# Altium PCB 驱动板 - 副本.PcbDoc (continued)
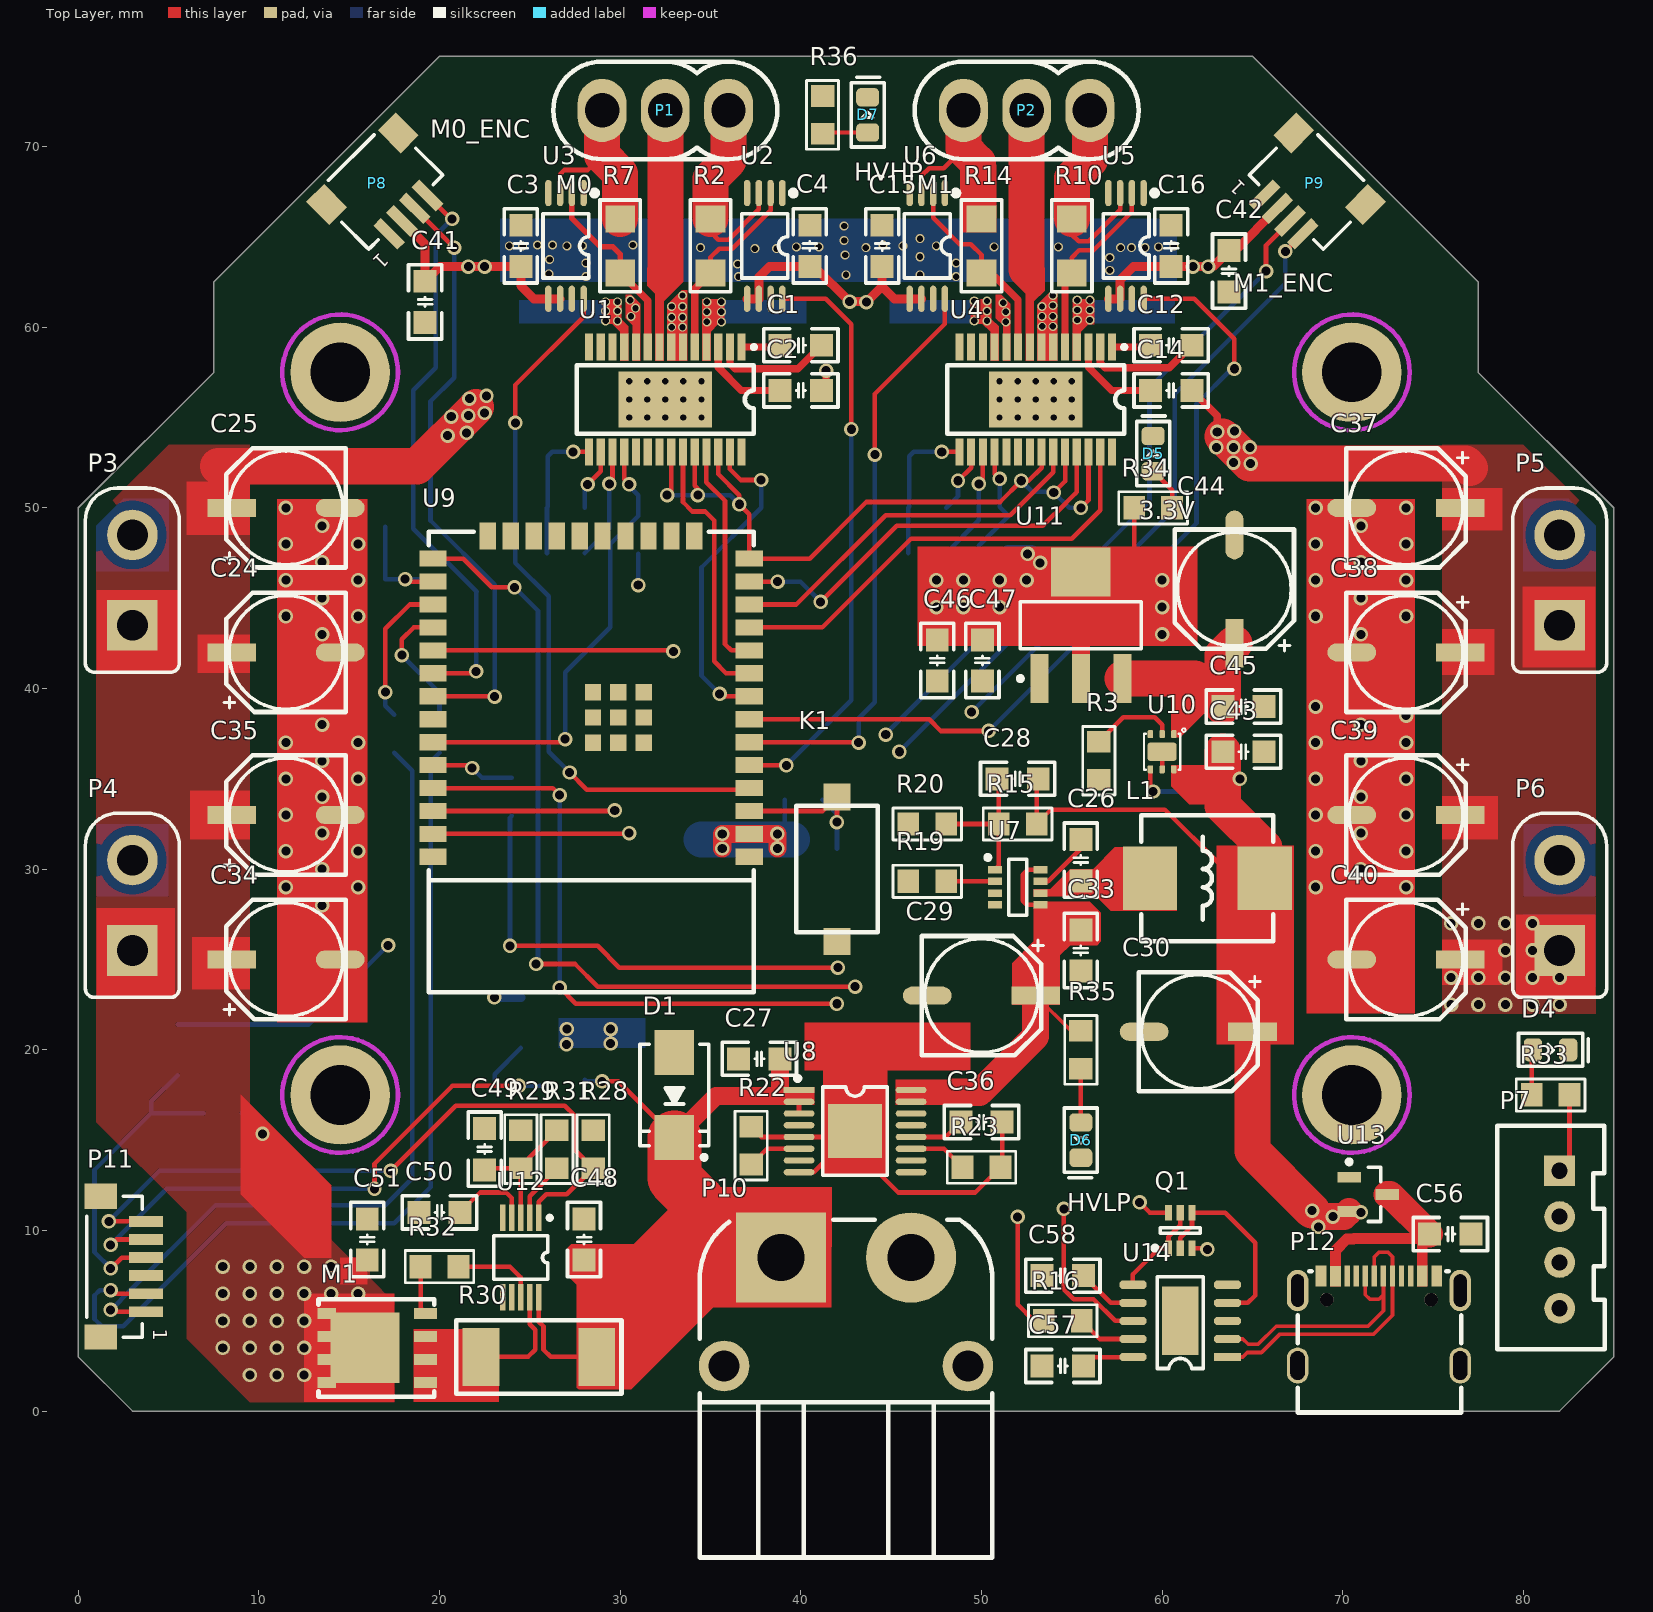
[diagram p0: Top Layer view]
## Components (designator, comment, footprint, x,y, rotation, side; value= is the part's Value field where it differs from the comment) (continued)
R13 "10K" R0805_M 47,50 r180 bottom value=1K
R14 "10mR" R1206_M 50,64.5 r270 top
R15 "150K/<1%" R0805_M 52,32.5 r180 top value=1K
R16 "470R" R0805_M 54.5,5 r180 top value=1K
R17 "82K/0.5%" R0805_M 8,16.5 r180 bottom value=1K
R18 "0R" R0805_M 20,37.5 r270 bottom value=1K
R19 "100K" R0805_M 47,29.325 r180 top value=1K
R20 "20K/<1%" R0805_M 47,32.5 r180 top value=1K
R21 "10K/0.5%" R0805_M 3,16.5 r180 bottom value=1K
R22 "0R" R0805_M 37.25,14.7 r90 top value=1K
R23 "22K/0.5%" R0805_M 50,13.5 r0 top value=1K
R24 "0R" R0805_M 30.5,22 r90 bottom value=1K
R25 "82K/0.5%" R0805_M 27,18 r180 bottom value=1K
R26 "0R" R0805_M 28.5,22 r90 bottom value=1K
R27 "10K/0.5%" R0805_M 22,18 r180 bottom value=1K
R28 "10K" R0805_M 28.5,14.5 r90 top value=1K
R29 "20K" R0805_M 24.5,14.5 r90 top value=1K
R30 "5mR" R2512_M 25.5,3 r0 top
R31 "20K" R0805_M 26.5,14.5 r90 top value=1K
R32 "10R" R0805_M 20,8 r0 top value=1K
R33 "1K" R0805_M 81.5,17.5 r0 top
R34 "1K" R0805_M 59.5,50 r180 top
R35 "10K" R0805_M 55.5,20 r90 top value=1K
R36 "10K" R0805_M 41.2,71.75 r90 top value=1K
R37 "10K" R0805_M 40.15,33.85 r0 bottom value=1K
R38 "470R" R0805_M 24,34 r90 bottom value=1K
U1 "DRV8313PWPR" TSSOP28-PowerPad 32.5,56 r270 top
U2 "INA240A2PWR" TSSOP8 38,64.5 r270 top
U3 "INA240A2PWR" TSSOP8 27,64.5 r270 top
U4 "DRV8313PWPR" TSSOP28-PowerPad 53,56 r270 top
U5 "INA240A2PWR" TSSOP8 58,64.5 r270 top
U6 "INA240A2PWR" TSSOP8 47,64.5 r270 top
U7 "SY8303" SOT23-8L 52,29 r0 top
U8 "TPS26600" ETSSOP16_M 43,15.5 r0 top
U9 "ESP32-WROOM-32D/E" ESP32-WROOM-32D/E 31.3,37 r180 top locked
U10 "TPS25200" WSON-6 60,36.5 r180 top
U11 "AMS1117-3.3" SOT223_M 55.5,43.5 r0 top
U12 "TPS2491" VSSOP10 24.5,8.5 r270 top
U13 "CH213K" SOT-23-3 71.4,12 r270 top
U14 "CH340K" ESSOP10 63.616,2.993 r90 top

## Footprints (in the part's own frame and the unit in brackets; to place one, negate y for a bottom-side part, rotate by r counter-clockwise, add the part's x,y. Pads: shape width x height; smd on the part's side, far side on the other; paste and mask are expansions set on the pad)
C0805_M [mil] "贴片MLCC电容"
  rect 50x50 smd: 1(-45,0) 2(45,0)
  silkscreen extent -81,-36 81,36, body extent -39,-25 39,25, height 49
"CS 6*6 - R" [mm] "直径6mm，高6mm             联系卖家 免费人工查找封装"
  rect 2.7x1 smd: 1(3,0)
  oval 2.7x1 smd: 2(-3,0)
  silkscreen extent -3.3,-3.3 3.43,3.3, body extent -3.5,-3.15 3.5,3.15, height 6.05
DFN8L-5X6 [mm]
  rect 0.61x1.27 smd: 1(-1.905,-2.732) 2(-0.635,-2.732) 3(0.635,-2.732) 4(1.905,-2.732)
  rect 0.61x1.02 smd: 5(1.905,2.733) 6(0.635,2.733) 7(-0.635,2.733) 8(-1.905,2.733)
  rect 3.91x3.81 smd: 8(0,0.628)
  silkscreen extent -2.7,-3.2 2.7,3.2
ESP32-WROOM-32D/E [mm]
  rect 1.5x0.9 smd: 1(-5.845,6.32) 2(-5.845,5.05) 3(-5.845,3.78) 4(-5.845,2.51) 5(-5.845,1.24) 6(-5.845,-0.03) 7(-5.845,-1.3) 8(-5.845,-2.57) 9(-5.845,-3.84) 10(-5.845,-5.11) 11(-5.845,-6.38) 12(-5.845,-7.65) 13(-5.845,-8.92) 14(-5.845,-10.19) 25(11.655,-10.19) 26(11.655,-8.92) 27(11.655,-7.65) 28(11.655,-6.38) 29(11.655,-5.11) 30(11.655,-3.84) 31(11.655,-2.57) 32(11.655,-1.3) 33(11.655,-0.03) 34(11.655,1.24) 35(11.655,2.51) 36(11.655,3.78) 37(11.655,5.05) 38(11.655,6.32)
  rect 0.9x1.5 smd: 15(-2.805,-11.44) 16(-1.535,-11.44) 17(-0.265,-11.44) 18(1.005,-11.44) 19(2.275,-11.44) 20(3.545,-11.44) 21(4.815,-11.44) 22(6.085,-11.44) 23(7.355,-11.44) 24(8.625,-11.44)
  rect 0.9x0.9 smd: 39(0,0) 39(0,-1.4) 39(0,-2.8) 39(1.4,0) 39(1.4,-1.4) 39(1.4,-2.8) 39(2.8,-1.4) 39(2.8,0) 39(2.8,-2.8)
  silkscreen extent -6.1,-11.68 11.9,13.82, body extent -6.1,-11.68 11.9,13.82, height 3.2
ESSOP10 [mm]
  rect 3.8x2 smd: 0(2.007,2.616)
  rect 0.45x1.5 smd: 1(0,0)
  oct 0.45x1.5 smd: 2(1,0) 3(2,0) 4(3,0) 5(4,0) 6(4,5.232) 7(3,5.232) 8(2,5.232) 9(1,5.232) 10(0,5.232)
  silkscreen extent -0.64,1.35 4.44,3.89
ETSSOP16_M [mm] "5*6.4*1.2mm（长宽高）"
  rect 1.7x0.35 smd: 1(-3.1,2.275)
  oval 1.7x0.35 smd: 2(-3.1,1.625) 3(-3.1,0.975) 4(-3.1,0.325) 5(-3.1,-0.325) 6(-3.1,-0.975) 7(-3.1,-1.625) 8(-3.1,-2.275) 9(3.1,-2.275) 10(3.1,-1.625) 11(3.1,-0.975) 12(3.1,-0.325) 13(3.1,0.325) 14(3.1,0.975) 15(3.1,1.625) 16(3.1,2.275)
  rect 3x3 smd paste-3: 17(0,0)
  rect 0.75x0.75 on Top Paste: 19(-1,1) 20(0,1) 21(1,1) 22(1,0) 23(0,0) 24(-1,0) 25(-1,-1) 26(0,-1) 27(1,-1)
  silkscreen extent -3.3,-2.45 1.78,3.05, body extent -3.2,-2.5 3.2,2.5, height 1.03
L-SMD-0630 [mm] "一体化成型电感"
  rect 3x3.5 smd: 1(-3.175,0) 2(3.175,0)
  silkscreen extent -3.66,-3.48 3.66,3.48, body extent -3.47,-3.3 3.48,3.3, height 3.05
LED0805_G [mil] "绿色0805LED            联系卖家 免费查找封装"
  rrect50% 40x50 smd: 1(-38.4,0) 2(38.4,0)
  silkscreen extent -70,-36 82,36, body extent -39,-25 39,25, height 32
MR30PB-F [mm]
  oval 2.7x3.5 hole 1.9: 1(-3.5,0) 2(0,0) 3(3.5,0)
  silkscreen extent -6.2,-2.7 6.2,2.7
R0805_M [mm] "1/8W贴片电阻"
  rect 1.2x1.3 smd: 1(-1.05,0) 2(1.05,0)
  silkscreen extent -1.9,-0.89 1.9,0.89, body extent -1,-0.63 1,0.63, height 0.6
R1206_M [mm] "1/4W贴片电阻"
  rect 1.5x1.65 smd: 1(-1.5,0) 2(1.5,0)
  silkscreen extent -2.54,-1.12 2.54,1.12, body extent -1.6,-0.8 1.6,0.8, height 0.56
R2512_M [mm] "1W贴片电阻                       联系卖家 免费人工查找封装"
  rect 2.032x3.2 smd: 1(-3.2,0) 2(3.2,0)
  silkscreen extent -4.57,-2.03 4.57,2.03, body extent -3.2,-1.6 3.2,1.6, height 0.56
SH1.0-LT-6P [mm] "SH1.0连接器-立贴-6P           来自淘宝卖家ID：黄晶宝石"
  rect 1.4x1.8 smd: 0(-3.9,-1.25) 0(3.9,-1.25)
  rect 0.6x1.9 smd: 1(2.5,1.25) 2(1.5,1.25) 3(0.5,1.25) 4(-0.5,1.25) 5(-1.5,1.25) 6(-2.5,1.25)
  silkscreen extent -3.9,-2.03 3.9,1.05, body extent -4,-1.9 4,1.7, height 4.25
SH1.0-WT-4P [mm] "SH1.0连接器-卧贴-4P          来自淘宝卖家ID：黄晶宝石"
  rect 1.4x1.8 smd: 0(-2.8,-1.8) 0(2.8,-1.8)
  rect 0.6x1.9 smd: 1(1.5,1.8) 2(0.5,1.8) 3(-0.5,1.8) 4(-1.5,1.8)
  silkscreen extent -2.9,-2.67 2.9,1.6, body extent -3,-2.6 3,2.35, height 2.9
SMB [mm] "4.7*3.9*2.2mm(长宽高，不包括引脚）联系卖家 免费查找封装"
  rect 2.5x2.2 smd: 1(2.35,0) 2(-2.35,0)
  silkscreen extent -3.57,-1.9 2.8,1.9, body extent -2.65,-1.8 2.65,1.8, height 2.35
SOD-323 [mm] "1.8x1.3X0.9mm（长宽高，不包括引脚）联系卖家 免费人工查找封装"
  rect 1x0.8 smd: 1(-1.4,0)
  oct 1x0.8 smd: 2(1.4,0)
  silkscreen extent -2.11,-0.76 2.11,0.76, body extent -1.32,-0.65 1.32,0.65, height 0.95
SOT23-8L [mil] "SOT23, 8-Leads, Body 2.9x1.75mm, Pitch 0.65mm"
  rect 30.5x16 smd paste+0: 1(-49.75,38.39) 2(-49.75,12.8) 3(-49.75,-12.8) 4(-49.75,-38.39) 5(49.75,-38.39) 6(49.75,-12.8) 7(49.75,12.8) 8(49.75,38.39)
  silkscreen extent -70,-61 20,70, body extent -55,-59 55,59, height 45
SOT223_M [mm] "SOT223, 4-Leads, Body 6.5x3.5mm, Pitch 2.3mm, Lead Span 7mm, IPC Low Density联系卖家 获取最新版本"
  rect 1x2.7 smd: 1(-2.3,-2.95) 2(0,-2.95) 3(2.3,-2.95)
  rect 3.3x2.7 smd: 4(0,2.95)
  silkscreen extent -3.47,-3.07 3.35,1.3, body extent -3.25,-3.51 3.25,3.51, height 1.65
SOT363_M [mm] "SOT23, 6-Leads, Body 2.2x1.35mm, Pitch 0.65mm, IPC Low Density               联系卖家 免费查找封装"
  rect 0.85x0.4 smd: 1(-0.975,0.65) 2(-0.975,0) 3(-0.975,-0.65) 4(0.975,-0.65) 5(0.975,0) 6(0.975,0.65)
  silkscreen extent -1.1,-1.1 0.15,1.52, body extent -1.05,-1.07 1.05,1.08, height 1.1
SOT-23-3 [mm] "SOT23, 3-Leads, Body 2.9x1.3mm, Pitch 0.95mm, Lead Span 2.4mm, IPC Medium Density"
  rect 0.6x1.3 smd: 1(-0.95,-1.05) 2(0.95,-1.05) 3(0,1.05)
  silkscreen extent -1.92,-1.17 1.5,0.7, body extent -1.5,-1.2 1.5,1.2, height 1.05
SW_SMT [mm]
  rect 1.5x1.5 smd: 1(0,4) 2(0,-4)
  Top Layer region: 0.25,-7
  silkscreen extent -2.25,-3.5 2.25,3.48, body extent -1.82,-4.03 1.83,3.97, height 2.5
TSSOP8 [mm] "TSSOP-8_L4.4-W3.0-P0.65 封装库来自淘宝卖家 ID：黄晶宝石"
  oval 1.454x0.353 smd: 1(-2.927,0.975) 2(-2.927,0.325) 3(-2.927,-0.325) 4(-2.927,-0.975) 5(2.927,-0.975) 6(2.927,-0.325) 7(2.927,0.325) 8(2.927,0.975)
  silkscreen extent -3.08,-1.27 1.78,1.73, body extent -3.19,-1.58 3.09,1.42, height 1.12
TSSOP28-PowerPad [mm]
  rect 1.5x0.45 smd: 1(-2.9,4.225) 2(-2.9,3.575) 3(-2.9,2.925) 4(-2.9,2.275) 5(-2.9,1.625) 6(-2.9,0.975) 7(-2.9,0.325) 8(-2.9,-0.325) 9(-2.9,-0.975) 10(-2.9,-1.625) 11(-2.9,-2.275) 12(-2.9,-2.925) 13(-2.9,-3.575) 14(-2.9,-4.225) 15(2.9,-4.225) 16(2.9,-3.575) 17(2.9,-2.925) 18(2.9,-2.275) 19(2.9,-1.625) 20(2.9,-0.975) 21(2.9,-0.325) 22(2.9,0.325) 23(2.9,0.975) 24(2.9,1.625) 25(2.9,2.275) 26(2.9,2.925) 27(2.9,3.575) 28(2.9,4.225)
  rect 3.1x5.18 smd: 29(0,0)
  silkscreen extent -3,-4.9 1.9,5, body extent -3.2,-4.85 3.2,4.85, height 1.13
USB-C-SMD_16P [mm] "封装库来自淘宝ID:黄晶宝石"
  oval 1.2x2.3 hole 0.7 slot 1.8 at 90 deg: 0(-4.5,-1.675) 0(4.5,-1.675)
  oval 1.2x2 hole 0.8 slot 1.6 at 90 deg: 0(-4.5,2.475) 0(4.5,2.475)
  rect 0.3x1.15 smd: A1(3.35,-2.473) A4(2.55,-2.471) A5(1.25,-2.475) A6(0.25,-2.475) A7(-0.25,-2.473) A9(-2.55,-2.475) A12(-3.35,-2.475) B1(-3.05,-2.475) B4(-2.25,-2.475) B5(-1.75,-2.475) B6(-0.75,-2.475) B7(0.75,-2.473) B9(2.25,-2.471) B12(3.05,-2.473)
  rect 0.3x1.148 smd: A8(1.75,-2.475) B8(-1.25,-2.475)
  round 0.75 hole 0.75 unplated: ""(-2.89,-1.175) ""(2.89,-1.175)
  silkscreen extent -4.56,-2.75 4.5,5.08, body extent -4.45,-2.87 4.49,5.03, height 3.25
VSSOP10 [mm]
  rect 1.45x0.3 smd mask+0.05: 1(-2.2,1) 2(-2.2,0.5) 3(-2.2,0) 4(-2.2,-0.5) 5(-2.2,-1) 6(2.2,-1) 7(2.2,-0.5) 8(2.2,0) 9(2.2,0.5) 10(2.2,1)
  silkscreen extent -2.3,-1.5 1.2,1.7
WSON-6 [mm]
  rrect50% 0.3x0.45 smd: 1(-0.65,-0.975) 2(0,-0.975) 3(0.65,-0.975) 4(0.65,0.975) 5(0,0.975) 6(-0.65,0.975)
  rrect25% 1.6x1 smd: 7(0,0)
  silkscreen extent -1.3,-1.3 1,1, body extent -1.05,-1.02 1.02,1.02, height 1
XH2.54-LI-4P [mm] "接插件，4P"
  rect 1.7x1.7 hole 0.9: 1(-3.81,0)
  round 1.7 hole 0.9: 2(-1.27,0) 3(1.27,0) 4(3.81,0)
  silkscreen extent -6.3,-3.45 6.07,2.49, body extent -6.31,-3.3 6.31,2.4, height 7.05
XT30PB-F [mm] "TH, 2-Leads, Body 10.2x5.2mm, Pitch 5.00mm"
  rect 2.8x2.8 hole 1.7: 1(-2.5,0)
  round 2.8 hole 1.7: 2(2.5,0)
  silkscreen extent -5.1,-2.6 5.1,2.6, body extent -5.1,-2.6 5.1,2.6, height 9.4
XT60PW-M [mm] "长：18.8mm， 宽：16mm，高：8.6mm     淘宝ID:黄晶宝石"
  round 2.8 hole 1.7: 0(-6.75,-3) 0(6.75,-3)
  rect 5x5 hole 2.6: 1(-3.6,3)
  round 5 hole 2.6: 2(3.6,3)
  silkscreen extent -8.1,-13.6 8.1,5.1, body extent -8,-13.5 8,4.9, height 8.5

## Part data
C1 C2 C3 C4 C5 C6 C7 C8 C9 C10 C11 C12 C13 C14 C15 C16 C17 C18 C19 C20 C21 C22 C23 C45 C46 C47 C49 C50 C51 C52 C53 C54: library part Cap, "Capacitor", LatestRevisionDate=17-Jul-2002, LatestRevisionNote="Re-released for DXP Platform.", PackageDescription="Radial Cap, Thru-Hole; 2 Leads; 0.3 in Pin Spacing", PackageReference=RAD-0.3, Published=8-Jun-2000, Publisher="Altium Limited"
C24 C25 C34 C35 C37 C38 C39 C40: library part "Cap Pol2", "Low ESR required"
C26 C27 C28 C31 C32 C33 C36 C41 C42 C43 C48 C55 C56 C57 C58: library part CAP, "Capacitor"
C29 C30: library part "Cap Pol2", "固态电容"
C44: library part "Cap Pol2", "Polarized Capacitor (Axial)"
D1: library part TVS
D2 D3: library part Diode, "Default Diode"
D4 D5 D6 D7: library part LED1, "Typical RED GaAs LED"
FB1: library part L
K1: library part SW-PB, "Switch", LatestRevisionDate=17-Jul-2002, LatestRevisionNote="Re-released for DXP Platform.", PackageDescription="Switch; 2 Leads", PackageReference=SPST-2, Published=24-Mar-1999, Publisher="Altium Limited"
L1: library part "Inductor Iron", "Magnetic-Core Inductor", LatestRevisionDate=17-Jul-2002, LatestRevisionNote="Re-released for DXP Platform.", PackageDescription="Axial Device, Thru-Hole; 2 Leads; 0.9 in Pin Spacing", PackageReference=AXIAL-0.9, Published=24-Mar-1999, Publisher="Altium Limited"
M1: library part NMOS_IC
P1 P2 P10: library part "Header 3", "Header, 3-Pin"
  P1 P2: LatestRevisionDate=17-Jul-2002, LatestRevisionNote="Re-released for DXP Platform.", Publisher="Altium Limited"
P3 P4 P5 P6: library part "Header 2", "Header, 2-Pin", LatestRevisionDate=17-Jul-2002, LatestRevisionNote="Re-released for DXP Platform.", Publisher="Altium Limited"
P7: library part "Header 4", "Header, 4-Pin", LatestRevisionDate=17-Jul-2002, LatestRevisionNote="Re-released for DXP Platform.", Publisher="Altium Limited"
P8 P9: library part "Header 5", LatestRevisionDate=17-Jul-2002, LatestRevisionNote="Re-released for DXP Platform.", Publisher="Altium Limited"
P11: library part "Header 7", "Header, 7-Pin"
Q1: library part D2NPN, "数字晶体管（带电阻）"
R1 R2 R3 R4 R5 R6 R7 R8 R9 R10 R11 R12 R13 R14 R15 R16 R17 R18 R19 R20 R21 R22 R23 R24 R25 R26 R27 R28 R29 R30 R31 R32 R33 R34 R35 R36 R37 R38: library part Res2, "Resistor"
  R1 R2 R3 R4 R5 R6 R7 R8 R9 R10 R11 R12 R13 R14 R15 R16 R17 R18 R19 R20 R21 R22 R23 R24 R25 R26 R27 R28 R29 R31 R32 R33 R34 R35 R36 R37 R38: LatestRevisionDate=17-Jul-2002, LatestRevisionNote="Re-released for DXP Platform.", PackageDescription="Axial Device, Thru-Hole; 2 Leads; 0.4 in Pin Spacing", PackageReference=AXIAL-0.4, Published=8-Jun-2000, Publisher="Altium Limited"
U2 U3 U5 U6: library part Component_3
U11: library part AMS1117
U13: "Ideal Diode 5V*1A"
U14: "USB to TTL Serial / UART for dual power"
U8: ClassName=HVHV

## Free pads (board coordinates)
  round 5.5 hole 3.3: ""(14.5,17.5) ""(14.5,57.5) ""(70.5,17.5) ""(70.5,57.5)

## Via types
v1: diameter 0.8, hole 0.5, Top Layer to Bottom Layer, tented both sides, 209 vias
v2: diameter 0.5, hole 0.35, Top Layer to Bottom Layer, tented both sides, 114 vias

## Nets (pads, with @x,y where several pads share a name; then routed paths per layer and width w, separated by ;. In a path a pad name is that pad's centre, name@x,y a point inside that pad or via, vN(x,y) a via of type N, cw(c..) or ccw(c..) an arc to the next point about the centre after c; other vN are vias at no path point)
DTR: Q1.2 Q1.4 U14.4 | length 11
  Top Layer w0.254: Q1.2 61,9.6 61.65,10.25 Q1.4 63.494,10.975 65.15,9.319 65.15,6.4 64.743,5.993 U14.4
EN: C55.2 K1.2 Q1.6 R37.2 U9.3 | length 39.4
  Top Layer w0.254: U9.3 41.22,33.22 K1.2 v1(42,32.6) ; v1(58.75,11.55) 59.325,10.975 Q1.6
  Mid 2 w0.254: v1(42,32.6) 58.75,15.85 v1(58.75,11.55)
  Bottom Layer w0.254: R37.2 42,33.05 v1(42,32.6) C55.2
FOC_RX: FB1.1 U9.27 | length 8.2
  Top Layer w0.254: v1(17,39.8) 17,43.3 18.35,44.65 U9.27
  Bottom Layer w0.254: v1(17,39.8) 17,39.05 FB1.1
FOC_TX: R18.1 U9.28 | length 7
  Top Layer w0.254: v1(17.919,41.846) 17.919,42.719 18.58,43.38 U9.28
  Bottom Layer w0.254: v1(17.919,41.846) 20,39.765 R18.1
GND: C3.2 C4.2 C5.1 C13.1 C15.2 C16.2 C17.1 C27.2 C29.2 C30.2 C31.1 C32.1 C33.1 C41.2 C42.2 C43.2 C44.2 C45.1 C46.1 C47.1 C48.1 C49.1 C50.1 C51.1 C52.2 C53.2 C54.2 C55.1 C56.1 C57.1 C58.1 D1.1 D4.2 D5.2 D6.2 D7.2 K1.1 P7.3 P7.4 P8.0 P8.1 P9.0 P9.1 P11.0 P11.3 P12.0 P12.A1 P12.A12 P12.B1 P12.B12 R3.1 R9.2 R19.2 R20.2 R21.2 R24.2 R26.2 R27.2 R28.2 R29.2 U1.14 U1.20 U1.28 U1.29 U2.4 U2.7 U3.4 U3.7 U4.14 U4.20 U4.28 U4.29 U5.4 U5.7 U6.4 U6.7 U7.3 U7.4 U8.9 U9.1 U9.15 U9.38 U9.39 U10.5 U10.7 U11.1 U12.5 U13.1 U14.0 U14.3 | length 1
  Top Layer w0.254: U10.5 U10.7
  other v2: 30.5,55 31.5,55 32.5,55 33.5,55 34.5,55 51,55 52,55 53,55 54,55 55,55 30.5,56 31.5,56 32.5,56 33.5,56 34.5,56 51,56 52,56 53,56 54,56 55,56 30.5,57 31.5,57 32.5,57 33.5,57 34.5,57 51,57 52,57 53,57 54,57 55,57
GPIO0: Q1.3 U9.25 | length 72.4
  Top Layer w0.254: U9.25 21.31,47.19 22.9,45.6 v1(24.15,45.6) ; v1(25.35,24.75) 27.5,24.75 28.75,23.5 v1(43,23.5) ; Q1.3 62.435,9.025 v1(62.5,8.96)
  Mid 2 w0.254: v1(43,23.5) 53.1,13.4 53.1,11.246 55.386,8.96 v1(62.5,8.96)
  Bottom Layer w0.254: v1(24.15,45.6) 25.45,44.3 25.45,24.85 v1(25.35,24.75)
HVHP_ADC: D3.1 P11.4 R17.2 R21.1 | length 18.1
  Top Layer w0.254: v1(1.8,7.9) 2.4,8.5 P11.4
  Bottom Layer w0.254: v1(1.8,7.9) 0.9,8.8 0.9,13.35 R21.1 ; D3.1 4.05,17.15 R21.1 ; R17.2 R21.1
HVHP_EN: P11.6 R28.1 U12.1 | length 38.7
  Top Layer w0.254: v1(1.7,10.5) P11.6 ; v1(17.3,13.3) 20.9,16.9 26.939,16.9 27.477,16.362 27.477,14.473 R28.1 27.05,12 25.9,12 25.5,11.6 U12.1
  Bottom Layer w0.254: v1(1.7,10.5) 4.5,13.3 v1(17.3,13.3)
HVIN: C27.1 C48.2 D1.2 P10.1 R25.1 R30.2 U8.1 U8.2 U8.3 U12.10 | length 24.7
  Top Layer w0.254: U12.10 25.5,4.942 25.754,4.688 25.754,3.396 26.15,3 R30.2 ; v1(29,18.25) 29.9,18.25 D1.2 ; U8.3 U8.2 39.9,17.431
  Top Layer w1: D1.2 35.3,17.45 37.1,17.45 ; 38.843,17.674 C27.1
  Top Layer w3: D1.2 33,12.9 34.3,11.6
  Bottom Layer w0.254: R25.1 28.05,18.35 28.15,18.25 v1(29,18.25)
HVIN_ADC: D2.1 P11.5 R25.2 R27.1 | length 34.7
  Top Layer w0.254: v1(1.8,9.2) 2.1,9.5 P11.5 ; v1(16.4,12.3) 16.4,13.7 20.7,18 v1(24.4,18)
  Bottom Layer w0.254: v1(1.8,9.2) 4.9,12.3 v1(16.4,12.3) ; D2.1 23.05,18.65 R27.1 v1(24.4,18) R25.2
HVLP: C29.1 C33.2 R35.2 U7.5 U7.8 U8.15 U8.16 | length 15.1
  Top Layer w0.2: C29.1 54.95,21.05 R35.2
  Top Layer w0.254: U7.5 52.501,28.025 52.275,28.251 52.275,29.7 52.55,29.975 U7.8
  Top Layer w1.5: 48.35,17.65 49.9,17.65 53,20.75 C29.1
M0_A: P1.1 R2.1 U2.3 | length 11.6
  Top Layer w0.254: R2.1 35,65.275 35.425,64.85 36.001,64.85 37.675,66.524 U2.3
  Top Layer w2: R2.1 35,68.225 36,69.225 P1.1
M0_B: P1.3 R7.1 U3.3 | length 10.2
  Top Layer w0.254: U3.3 26.675,68.475 26.9,68.7 28.2,68.7 29,69.5
  Top Layer w2: P1.3 29,69.5 30,68.5 R7.1
M0_C: P1.2 U1.8 | length 9
  Top Layer w2: 32.5,63 P1.2
M0_IN1: U1.27 U9.8 | length 18.2
  Top Layer w0.254: v1(35.5,39.7) 35.63,39.57 U9.8 ; U1.27 36.075,52.15 36.682,51.543 v1(37.8,51.543)
  Bottom Layer w0.254: v1(35.5,39.7) 34.5,40.7 34.5,46.7 37.8,50 v1(37.8,51.543)
M0_IN2: U1.23 U9.9 | length 14.9
  Top Layer w0.254: U1.23 33.475,50.325 34,49.8 34.7,49.8 35.2,49.3 35.2,41.5 35.86,40.84 U9.9
M0_IN3: U1.25 U9.10 | length 12.6
  Top Layer w0.254: U1.25 34.775,51.425 35.8,50.4 35.8,42.45 36.14,42.11 U9.10
M0_NFAULT: R4.1 U1.18 U9.33 | length 25.3
  Top Layer w0.254: U9.33 26.78,37.03 v1(26.95,37.2) ; U1.18 30.225,51.575 v1(30.5,51.3)
  Bottom Layer w0.254: v1(26.95,37.2) 26.95,40.9 29.45,43.4 29.45,48 R4.1 31,50.7 30.5,51.2 v1(30.5,51.3)
M0_OUT1: R2.2 U1.5 U2.2 | length 10.7
  Top Layer w0.254: R2.2 35,63.875 35.475,64.35 36.2,64.35 38.325,66.475 U2.2
  Top Layer w0.4: U1.5 34.125,62.125 R2.2
M0_OUT1_CS: U2.8 U9.5 | length 32.4
  Top Layer w0.254: U9.5 v1@39.2,35.76 ; U2.8 41.384,61.573 42.8,60.157 v1(42.8,54.35)
  Bottom Layer w0.254: v1(39.2,35.75) 42.8,39.35 v1(42.8,54.35)
M0_OUT2: R7.2 U1.9 U3.2 | length 10.7
  Top Layer w0.3: U3.2 27.325,66.025 28.9,64.45 29.6,64.45 30,64.05 R7.2
  Top Layer w0.4: R7.2 31.525,61.475 U1.9
M0_OUT2_CS: U3.8 U9.4 | length 39.4
  Top Layer w0.254: v1(24.2,54.7) 24.2,56.8 27.975,60.575 U3.8 ; v1(27.2,35.35) 28.15,34.4 37.055,34.4 U9.4
  Bottom Layer w0.254: v1(24.2,54.7) 24.2,46.95 26.05,45.1 26.05,36.5 v1(27.2,35.35)
M0_SCL: P8.4 U9.30 | length 31.7
  Top Layer w0.254: P8.4 20.621,66 v1(20.7,66) ; U9.30 21.915,40.84 v1(22.025,40.95)
  Bottom Layer w0.254: v1(20.7,66) 19.8,65.1 19.8,57.75 18.55,56.5 18.55,48.85 22.05,45.35 22.025,45.325 v1(22.025,40.95)
M0_SDA: P8.3 U9.31 | length 33.4
  Top Layer w0.254: P8.3 v1(20.807,64.4) ; U9.31 23.03,39.57 v1(23.05,39.55)
  Bottom Layer w0.254: v1(20.807,64.4) 20.807,57.207 19.5,55.9 19.5,49.3 23.05,45.75 v1(23.05,39.55)
M1_A: P2.1 R10.1 U5.3 | length 11.8
  Top Layer w0.254: R10.1 55,65.125 55.375,64.75 55.93,64.75 57.675,66.495 U5.3
  Top Layer w2: R10.1 55,68.25 56,69.25 P2.1
M1_B: P2.3 R14.1 U6.3 | length 8
  Top Layer w0.254: U6.3 46.675,68.375 47.1,68.8 47.9,68.8 49,69.9
  Top Layer w2: P2.3 49,69.9 49.8,69.1 49.8,68.25
M1_C: P2.2 U4.8 | length 8.8
  Top Layer w2: 52.5,63.2 P2.2
M1_IN1: U4.27 U9.11 | length 25.3
  Top Layer w0.254: U9.11 41.18,43.38 46.1,48.3 55,48.3 56.575,49.875 U4.27
M1_IN2: U4.23 U9.12 | length 21
  Top Layer w0.254: U9.12 39.75,44.65 44.7,49.6 51.6,49.6 53.975,51.975 U4.23
M1_IN3: U4.25 U9.13 | length 23.3
  Top Layer w0.254: U9.13 v1(38.72,45.92) ; v1(41.1,44.8) 45.3,49 53.4,49 54.719,50.319 54.719,50.323 55.176,50.781 55.181,50.781 55.275,50.875 U4.25
  Bottom Layer w0.254: v1(38.72,45.92) 39.98,45.92 v1(41.1,44.8)
M1_NFAULT: R11.1 U4.18 U9.36 | length 46.1
  Top Layer w0.254: U9.36 v1@29.77,33.22 ; U4.18 50.725,51.875 v1(51,51.6)
  Mid 2 w0.254: v1@29.75,33.2 34.45,37.9 44.25,37.9 v1(44.7,37.45)
  Bottom Layer w0.254: v1(44.7,37.45) 44.65,37.45 49.857,42.657 49.857,47.907 R11.1 51,50.05 v1(51,51.6)
  other v1: 29.7,33.25
M1_OUT1: R10.2 U4.5 U5.2 | length 10.5
  Top Layer w0.254: R10.2 55,63.85 55.4,64.25 56.199,64.25 58.325,66.376 U5.2
  Top Layer w0.4: U4.5 54.625,62.625 R10.2
M1_OUT1_CS: U5.8 U9.7 | length 46.9
  Top Layer w0.254: U9.7 47.1,38.3 47.75,37.65 v1(50.4,37.65) ; U5.8 61.777,61.573 64,59.35 v1(64,57.7)
  Bottom Layer w0.254: v1(50.4,37.65) 61.9,49.15 61.9,55.75 63.85,57.7 v1(64,57.7)
M1_OUT2: R14.2 U4.9 U6.2 | length 11.2
  Top Layer w0.254: U6.2 47.325,66.056 48.781,64.6 49.4,64.6 50,64 R14.2
  Top Layer w0.4: R14.2 50.543,63 52.025,61.518 U4.9
M1_OUT2_CS: U6.8 U9.6 | length 32.6
  Top Layer w0.254: U9.6 43.17,37.03 v1(43.2,37) ; v1(44.1,52.95) 44.1,56.3 47.975,60.175 U6.8
  Bottom Layer w0.254: v1(43.2,37) 43.2,38.35 44.1,39.25 v1(44.1,52.95)
M1_SCL: P9.4 U9.29 | length 65.3
  Top Layer w0.254: U9.29 32.89,42.11 v1(32.95,42.05) ; v1(66.817,64.196) P9.4
  Mid 2 w0.254: v1(32.95,42.05) 46.1,42.05 v1(49.45,38.7)
  Bottom Layer w0.254: v1(49.45,38.7) 60.7,49.95 60.7,56.3 66.817,62.417 v1(66.817,64.196)
M1_SDA: P9.3 U9.37 | length 66.8
  Top Layer w0.254: U9.37 v1@30.55,31.95 ; v1(65.75,63.1) 65.75,64.543 65.807,64.6 P9.3
  Mid 2 w0.254: v1(30.5,32) 35.35,36.85 41.5,36.85 42.35,36 44.95,36 v1(45.45,36.5)
  Bottom Layer w0.254: v1@45.4,36.55 v1(45.45,36.5) 59.3,50.35 59.3,56.65 65.7,63.05 v1(65.75,63.1)
M_EN: U1.22 U1.24 U1.26 U4.22 U4.24 U4.26 U9.14 | length 44.6
  Top Layer w0.254: v1(32.6,50.7) 32.825,50.925 U1.22 ; U1.24 34.125,51.232 34.3,51.057 v1(34.3,50.7) ; U1.26 35.425,51.875 36.6,50.7 v1(36.6,50.2) 37.145,49.655 U9.14 40.49,47.19 43.625,50.325 51.025,50.325 v1(52.2,51.5) 52.6,51.5 53.325,52.225 U4.22 ; v1(54,50.85) 54.625,51.475 U4.24 ; v1(55.5,50) 55.925,50.425 U4.26
  Bottom Layer w0.254: v1(32.6,50.7) v1(34.3,50.7) 36.1,50.7 v1(36.6,50.2) ; v1(52.2,51.5) 52.8,50.9 53.95,50.9 v1(54,50.85) 54.85,50 v1(55.5,50)
NetC1_1: C1.1 U1.2 | length 6.6
  Top Layer w0.4: U1.2 36.075,57.979 36.354,57.7 39.843,57.7 C1.1
NetC1_2: C1.2 U1.1 | length 2.2
  Top Layer w0.4: U1.1 38.757,58.9 C1.2
NetC2_2: C2.2 U1.3 | length 5.1
  Top Layer w0.4: U1.3 35.425,57.781 36.706,56.5 C2.2
NetC5_2: C5.2 R5.2 R6.2 U1.15 | length 7.8
  Top Layer w0.254: v1(27.4,53.1) U1.15
  Bottom Layer w0.254: R5.2 R6.2 26,50.05 C5.2 26.243,53.1 v1(27.4,53.1)
NetC12_1: C12.1 U4.2 | length 6.6
  Top Layer w0.4: U4.2 56.575,58.009 56.834,57.75 60.393,57.75 C12.1
NetC12_2: C12.2 U4.1 | length 2.2
  Top Layer w0.4: U4.1 59.257,58.9 C12.2
NetC14_2: C14.2 U4.3 | length 5.1
  Top Layer w0.4: U4.3 55.925,57.781 57.206,56.5 C14.2
NetC17_2: C17.2 R12.2 R13.2 U4.15 | length 8.3
  Top Layer w0.254: v1(47.8,53.1) U4.15
  Bottom Layer w0.254: R12.2 R13.2 46,50.05 C17.2 46.243,53.1 v1(47.8,53.1)
NetC26_1: C26.1 U7.7 | length 3.5
  Top Layer w0.254: U7.7 53.686,29.325 55.5,31.139 C26.1
NetC26_2: C26.2 L1.1 U7.6
NetC28_1: C28.1 R15.2 R20.1 U7.1 | length 8.1
  Top Layer w0.254: R20.1 R15.2 ; U7.1 50.95,30.189 R15.2 ; C28.1 50.95,34.907 R15.2
NetC36_1: C36.1 U8.12 | length 3.1
  Top Layer w0.254: U8.12 48.032,15.175 C36.1
NetC44_1: C44.1 C45.2 U10.1 U11.3 | length 10
  Top Layer w2: U11.3 61.807,40.55 C45.2 63.357,41.857 C44.1
NetC49_2: C49.2 R29.1 R31.2 U12.3 | length 7.7
  Top Layer w0.254: C49.2 22.593,13.45 R29.1 ; U12.3 R29.1 ; R31.2 24.5,13.55 R29.1
NetC50_2: C50.2 U12.4 | length 4.5
  Top Layer w0.254: C50.2 22.243,12.1 23.7,12.1 24,11.8 U12.4
NetC57_2: C57.2 U14.10 | length 2.9
  Top Layer w0.254: C57.2 56.136,2.993 U14.10
NetD4_1: D4.1 R33.1 | length 2.5
  Top Layer w0.254: R33.1 80.45,19.925 D4.1
NetD5_1: D5.1 R34.1 | length 2.5
  Top Layer w0.254: D5.1 60.55,50.975 R34.1
NetD6_1: D6.1 R35.1 | length 3
  Top Layer w0.254: D6.1 R35.1
NetD7_1: D7.1 R36.1 | length 2.5
  Top Layer w0.2: R36.1 41.275,70.775 D7.1
NetFB1_2: FB1.2 P11.1 | length 45.7
  Top Layer w0.254: v1(1.8,5.6) 1.9,5.5 P11.1
  Bottom Layer w0.254: v1(1.8,5.6) 2.119,5.919 2.123,5.919 2.581,6.376 2.581,6.381 7.6,11.4 17,11.4 18.5,12.9 18.5,35.45 FB1.2
NetM1_1: M1.1 M1.2 M1.3 R30.1 U12.9 | length 6.2
  Top Layer w0.254: R30.1 24.9,3 25.3,3.4 25.3,4.5 25,4.8 U12.9
NetM1_4: M1.4 R32.1 | length 2.7
  Top Layer w0.254: R32.1 18.95,5.687 M1.4
NetP11_2: P11.2 R18.2 | length 50.6
  Top Layer w0.254: v1(1.8,6.7) 2,6.5 P11.2
  Bottom Layer w0.254: v1(1.8,6.7) 1.2,6.7 0.9,6.4 0.9,5.1 1.3,4.7 2.5,4.7 8.2,10.4 17.5,10.4 19.507,12.407 19.507,35.957 R18.2
NetR1_1: R1.1 U10.4 | length 3.4
  Top Layer w0.254: U10.4 59.35,34.45 v1(59.5,34.3)
  Bottom Layer w0.254: v1(59.5,34.3) R1.1
NetR3_2: R3.2 U10.2 | length 4.7
  Top Layer w0.254: R3.2 57.85,38.4 59.6,38.4 60,38 U10.2
NetR5_1: R5.1 U1.17 | length 6.2
  Top Layer w0.254: v1(29.4,51.325) 29.575,51.5 U1.17
  Bottom Layer w0.254: R5.1 29.4,48.85 v1(29.4,51.325)
NetR6_1: R6.1 U1.16 | length 3.5
  Top Layer w0.254: v1(28.2,51.3) 28.925,52.025 U1.16
  Bottom Layer w0.254: R6.1 28.05,51.15 v1(28.2,51.3)
NetR12_1: R12.1 U4.17 | length 6.5
  Top Layer w0.254: v1(49.857,51.325) 50.075,51.543 U4.17 U4.17@50.05,53.075
  Bottom Layer w0.254: R12.1 49.857,49.307 v1(49.857,51.325)
NetR13_1: R13.1 U4.16 | length 3.7
  Top Layer w0.254: v1(48.7,51.5) 49.425,52.225 U4.16
  Bottom Layer w0.254: R13.1 48.7,50.65 v1(48.7,51.5)
NetR16_1: R16.1 U14.9 | length 3.3
  Top Layer w0.254: R16.1 56.557,3.993 U14.9
NetR19_1: R19.1 U7.2 | length 2.7
  Top Layer w0.254: R19.1 U7.2
NetR22_1: R22.1 U8.6 | length 3
  Top Layer w0.254: R22.1 38.125,14.525 U8.6
NetR23_1: R23.1 U8.11 | length 3.3
  Top Layer w0.254: U8.11 47.925,14.525 R23.1
NetR31_1: R31.1 U12.2 | length 3.4
  Top Layer w0.254: U12.2 25,11.9 26.5,13.4 R31.1
NetR32_2: R32.2 U12.8 | length 4.8
  Top Layer w0.254: R32.2 23.9,8 24.5,7.4 U12.8
NetR38_1: R38.1 U14.8 | length 54.6
  Top Layer w0.254: v1(23.9,25.75) 28.75,25.75 29.95,24.55 v1(42.05,24.55) ; v1(54.559,11.199) 54.559,6.751 55.11,6.2 56.2,6.2 57.407,4.993 U14.8
  Mid 2 w0.254: v1(42.05,24.55) 44.1,24.55 54.559,14.091 v1(54.559,11.199)
  Bottom Layer w0.254: v1(23.9,25.75) 23.9,32.85 R38.1
PGND: C6.1 C7.1 C8.1 C9.1 C10.1 C11.1 C18.1 C19.1 C20.1 C21.1 C22.1 C23.1 C24.2 C25.2 C34.2 C35.2 C37.2 C38.2 C39.2 C40.2 P3.2 P4.2 P5.2 P6.2 P10.0 P10.2 R24.1 R26.1 U1.6 U1.7 U1.10 U4.6 U4.7 U4.10
  other v1: 27.029,20.3 29.466,20.35 27.05,21.152 29.466,21.15 13.5,28 11.5,29 15.5,29 68.5,29 73.5,29 13.5,30 71,30 11.5,31 15.5,31 68.5,31 73.5,31 13.5,32 71,32 11.5,33 68.5,33 73.5,33 13.5,34 71,34 11.5,35 15.5,35 68.5,35 73.5,35 13.5,36 71,36 11.5,37 15.5,37 68.5,37 73.5,37 13.5,38 71,38 73.5,38.5 68.5,39 13.5,43 71,43 11.5,44 15.5,44 68.5,44 73.5,44 13.5,45 71,45 11.5,46 15.5,46 68.5,46 73.5,46 13.5,47 71,47 11.5,48 15.5,48 68.5,48 73.5,48 13.5,49 71,49 11.5,50 68.5,50 73.5,50
  other v2: 32.85,60 33.45,60 53.357,60.05 53.95,60.05 51.35,60.3 32.85,60.55 33.45,60.55 30.6,60.6 53.35,60.6 53.95,60.6 51.35,60.85 30.85,61.05 32.85,61.15 33.45,61.15 53.35,61.15 53.95,61.2 51.2,61.35 30.55,61.5 33.45,61.75 53.95,61.75 28.1,62.8 36.55,62.8 48.6,62.8 42.5,62.9 46.6,62.9 26.05,62.95 57.1,63.15 36.5,63.5 28.1,63.55 48.6,63.55 26.1,63.75 57.1,63.85 46.6,63.9 42.45,64 37.45,64.35 38.65,64.35 34.45,64.4 43.6,64.4 57.7,64.4 58.3,64.4 59.05,64.4 39.75,64.45 41,64.45 50.7,64.45 54.25,64.45 59.8,64.45 23.863,64.5 24.6,64.5 27.05,64.5 27.9,64.5 45.65,64.5 47.5,64.5 60.65,64.5 25.425,64.55 26.25,64.55 30.7,64.55 44.55,64.55 42.4,64.8 46.6,64.9 42.4,65.6
POWER_ADC: C13.2 R8.2 R9.1 U9.26 | length 7
  Top Layer w0.254: v1(18.1,46.05) 18.23,45.92 U9.26
  Bottom Layer w0.254: R8.2 R9.1 v1(18.1,46.05) 19.407,46.05 C13.2
RTN: C36.2 R22.2 R23.2 U8.5 U8.8 U8.17 | length 22.9
  Top Layer w0.254: R22.2 37.825,15.175 U8.5 U8.17@42.675,15.175 ; U8.8 40.725,13.225 U8.17@42.675,15.175 ; C36.2 51.143,13.593 R23.2 49.65,12.1 45.4,12.1 43,14.5 U8.17 U8.17@42.675,15.175
RTS: Q1.1 Q1.5 U14.6 | length 5.4
  Top Layer w0.254: U14.6 58.384,7.584 59.825,9.025 Q1.1 60.35,9.65 61,10.3 Q1.5
RXD0: R38.2 U9.34 | length 4.6
  Top Layer w0.254: U9.34 21.64,35.76 v1(21.8,35.6)
  Bottom Layer w0.254: v1(21.8,35.6) 22.35,35.05 R38.2
TXD0: R16.2 U9.35 | length 56.2
  Top Layer w0.254: U9.35 26.26,34.49 v1(26.65,34.1) ; v1(26.65,23.45) 27.55,22.55 v1(42,22.55) ; v1(52,10.75) 52,5.9 52.9,5 R16.2
  Mid 2 w0.254: v1(42,22.55) 52,12.55 v1(52,10.75)
  Bottom Layer w0.254: v1(26.65,23.45) v1(26.65,34.1)
USB_N: P12.A7 P12.B7 U14.2 | length 13.7
  Top Layer w0.2: U14.2 64.466,3.993 64.76,3.7 65.308,3.7 66.308,4.7 71.4,4.7 72.25,5.55 72.25,6.45 ; P12.B7 71.25,6.45 71.5,6.2 72,6.2 72.25,6.45 ; P12.A7 72.25,6.45
USB_P: P12.A6 P12.B6 U14.1 | length 15.6
  Top Layer w0.2: U14.1 64.466,2.993 64.719,3.246 65.496,3.246 66.496,4.246 71.688,4.246 72.75,5.308 P12.B6 72.75,8.55 72.5,8.8 72,8.8 71.75,8.55 P12.A6
VBUS: C56.2 C58.2 P12.A4 P12.A9 P12.B4 P12.B9 U13.3 U14.7 | length 12.8
  Top Layer w0.254: C58.2 57.15,5.993 U14.7
  Top Layer w0.6: 69.6,8.357 69.6,8.9 70.22,9.52 70.588,9.52 70.618,9.55 74.557,9.55 C56.2
  Top Layer w1.5: U13.3 72.607,12 C56.2
VCC5V: C28.2 C30.1 C31.2 C32.2 C43.1 L1.2 P7.1 P7.2 R1.2 R15.1 R33.2 U10.6 U13.2 | length 58.4
  Top Layer w0.254: C28.2 53.05,34.907 R15.1 53.85,33.3 60.15,33.3 63.15,30.3 ; P7.1 82.55,13.86 R33.2
  Top Layer w1.5: v1(68.3,11.1) 68.63,10.77 v1(69.45,10.77) 70.07,10.77 U13.2
  Top Layer w2: C43.1 63.357,33.5 65.675,31.182 L1.2 ; C30.1 65,14.4 v1(68.3,11.1)
  Mid 2 w2: 67,12.4 68.63,10.77 v1(69.45,10.77) 69.53,10.77 P7.2 P7.1
  other v1: 68.65,10.2 71,11 64.3,35
VCC33: C3.1 C4.1 C15.1 C16.1 C41.1 C42.1 C46.2 C47.2 C52.1 C53.1 C54.1 D2.2 D3.2 P8.2 P9.2 R4.2 R11.2 R34.2 R37.1 U2.5 U2.6 U3.5 U3.6 U5.5 U5.6 U6.5 U6.6 U9.2 U11.2 U11.4 | length 77.7
  Top Layer w0.254: 58.45,47.6 R34.2
  Top Layer w0.5: P8.2 19.2,64.593 C41.1 20.014,63.357 v1(22.5,63.357) C3.1 24.5,62.3 25.227,61.573 U3.5 U3.6 ; U2.5 U2.6 37.675,62.775 38.257,63.357 C4.1 40.753,63.357 v1(42.7,61.41) 43.605,61.41 v1(43.625,61.39) 44.485,62.25 44.5,62.25 ; C15.1 44.5,62.25 ; U6.6 U6.5 45.177,61.573 44.5,62.25 ; U5.5 U5.6 57.675,62.625 58.407,63.357 C16.1 62.814,63.357 C42.1 64.036,64.243 P9.2
  Top Layer w1: v1(35.65,31.145) v1(35.65,31.95) U9.2 v1(38.7,31.95) v1(38.7,31.15) ; U11.2 U11.4
  Bottom Layer w0.254: D3.2 12.763,21.4 v1(17.15,25.787) ; v1(31,45.725) R4.2 ; R37.1 39.1,32.043 C52.1
  Bottom Layer w0.5: v1(23.034,22.9) D2.2
  Bottom Layer w1: R11.2 v1(52.55,47.45) 52.75,47.45 v1(53.25,46.95)
  Bottom Layer w2: C54.1 C53.1 C52.1
  other v1: 60,43 47.5,44.5 49,44.5 51,44.5 60,44.5 47.5,46 49,46 51,46 52.5,46 60,46 21.6,63.35 61.7,63.35 62.55,63.35
VCCFOC: C2.1 C6.2 C7.2 C8.2 C9.2 C10.2 C11.2 C14.1 C18.2 C19.2 C20.2 C21.2 C22.2 C23.2 C24.1 C25.1 C34.1 C35.1 C37.1 C38.1 C39.1 C40.1 C51.2 M1.5 M1.6 M1.7 M1.8 P3.1 P4.1 P5.1 P6.1 R8.1 R17.1 R36.2 U1.4 U1.11 U4.4 U4.11 U12.7 | length 84.3
  Top Layer w0.4: C2.1 41.55,56.5 41.4,56.65 v1(41.4,57.6) ; C14.1 63.05,55.093 v1(63.05,54.2)
  Top Layer w2: 7.75,52.3 18.75,52.3 22.025,55.575 ; v1@63.35,53.95 v1(63.95,53.35) 64.85,52.45 v1(64.9,52.45) 76.8,52.45 77.05,52.2
  Mid 1 w2: 20.9,54.45 24.95,58.5 58.8,58.5 v1(63.95,53.35) v1@64.85,52.45
  Bottom Layer w0.254: R17.1 v1(10.2,15.35)
  other v1: 9.5,2 11,2 12.5,2 8,3.5 9.5,3.5 11,3.5 12.5,3.5 8,5 9.5,5 11,5 12.5,5 8,6.5 9.5,6.5 11,6.5 12.5,6.5 14,6.5 15.5,6.5 8,8 9.5,8 11,8 12.5,8 14,8 76,22.5 77.5,22.5 79,22.5 80.5,22.5 82,22.5 76,24 77.5,24 79,24 80.5,24 82,24 79,25.5 80.5,25.5 76,27 77.5,27 79,27 80.5,27 63.95,52.5 63,53.35 64.85,53.35 20.45,54 21.5,54.15 64,54.25 20.65,55.05 21.6,55.1 22.5,55.25 21.65,56.05 22.6,56.2
  other v2: 34.8,60.3 35.6,60.3 29.2,60.35 29.85,60.35 49.6,60.35 50.3,60.35 55.3,60.4 56,60.4 34.8,60.85 35.6,60.85 29.2,60.9 29.85,60.9 49.6,60.9 50.3,60.9 55.3,60.95 56,60.95 29.2,61.4 29.85,61.4 34.8,61.4 35.6,61.4 49.6,61.45 50.3,61.45 55.3,61.5 56,61.5
pads on no net: P12. P12.A5 P12.A8 P12.B5 P12.B8 U1.12 U1.13 U1.19 U1.21 U2.1 U3.1 U4.12 U4.13 U4.19 U4.21 U5.1 U6.1 U8.4 U8.7 U8.10 U8.13 U8.14 U8.19 U8.20 U8.21 U8.22 U8.23 U8.24 U8.25 U8.26 U8.27 U9.16 U9.17 U9.18 U9.19 U9.20 U9.21 U9.22 U9.23 U9.24 U9.32 U10.3 U12.6 U14.5

## Polygon pours and split planes (outlines as drawn)
VCCFOC on Top Layer "VCCFOC_L01_P013" (solid, remove dead copper, pour order 13): 75.5,53.5 80,53.5 84,49.5 84,22 75.5,22
VCCFOC on Top Layer "VCCFOC_L01_P012" (solid, remove dead copper, pour order 12): 9.5,53.5 5,53.5 1,49.5 1,16 6,11 6,4 9.5,0.5 17.5,0.5 17.5,6 9.5,14
VCCFOC on Bottom Layer "VCCFOC_L04_P014" (solid, remove dead copper, pour order 14): 9.5,0.5 6,4 6,7 8.5,9.5 22,9.5 34,21.5 63,21.5 69,27.5 84,27.5 84,23 73,12 36.5,12 25.5,0.5
PGND on Bottom Layer "PGND_L04_P015" (solid, remove dead copper, pour order 15): 16,53.5 5,53.5 1,49.5 1,27.5 16,27.5
PGND on Bottom Layer "PGND_L04_P016" (solid, remove dead copper, pour order 16): 68,53.5 80,53.5 84,49.5 84,28.5 68,28.5
PGND on Mid 1 "PGND_L02_P018" (solid, remove dead copper, pour order 18): 3.5,1 45.5,1 45.5,21.398 21,21.398 20.575,21.575 16.575,25.574 16.398,26 16.398,49 16.575,49.425 24.574,57.425 25,57.602 59.398,57.602 67.602,49.398 67.602,27.5 67.425,27.075 61.926,21.575 61.5,21.398 47,21.398 47,1 81.5,1 84,3.5 84,49.5 76.5,57 76.5,62 64.5,74 20.5,74 8.5,62 8.5,57 1,49.5 1,3.5
GND on Mid 1 "GND_L02_P017" (solid, remove dead copper, pour order 17): 25.249,56.398 58.251,56.398 66.398,48.251 66.398,27.749 61.251,22.602 21.249,22.602 17.602,26.249 17.602,48.751
VCC33 on Mid 2 "VCC33_L03_P020" (solid, remove dead copper, pour order 20): 16.5,22 16.5,59.5 21.5,64.5 62.5,64.5 64,63 64,22

## Keep-outs
Keep-Out Layer:
  circle w0.254: c14.5,57.5 r3.202
  circle w0.254: c14.5,17.5 r3.202
  circle w0.254: c70.5,17.5 r3.202
  circle w0.254: c70.5,57.5 r3.202

## Other copper
Top Layer:
  rectangle net M1_B: 48.8,65.25 50.824,69
  rectangle net RTN: 40.2,18.85 49.39,21.525
  rectangle net RTN: 41.222,13.05 44.8,21.525
  rectangle net VCCFOC: 14.5,7 16,8.5
  rectangle net PGND: 68,22 74,50.5
  rectangle net PGND: 11,21.5 16,50.5
  rectangle net VCCFOC: 12.5,0.5 17.5,6.5
  rectangle net VCC33: 46.45,42.35 61.95,47.85
  rectangle net VCCFOC: 79.6,22.85 84,27.5
  rectangle net VCCFOC: 75.5,23.6 78.85,26.1
  rectangle net VCCFOC: 75.5,31.65 78.6,34.05
  rectangle net VCCFOC: 79.95,41.15 84,45.65
  rectangle net VCCFOC: 75.5,40.75 78.4,43.3
  rectangle net VCCFOC: 75.5,48.75 78.85,51.1
  rectangle net VCCFOC: 6,48.5 9.5,51.45
  rectangle net VCCFOC: 1,40.95 5.55,45.45
  rectangle net VCCFOC: 6.6,40.85 9.5,43
  rectangle net VCCFOC: 6.2,31.643 9.5,34.35
  rectangle net VCCFOC: 6.3,23.35 9.5,26.25
  rectangle net VCCFOC: 1,22.8 5.35,27.85
  rectangle net NetM1_1: 18.55,0.5 23.3,4.55
  rectangle net HVLP: 45.25,16.95 49,18.35
  rectangle net HVIN: 36.55,16.95 40.75,17.95
  rectangle net VBUS: 74.1,6.9 74.7,9.55
  rectangle net VBUS: 69.3,6.9 69.9,8.65
  rectangle net VCC5V: 63,20.3 67.293,31.3
  region net M1_C: 52.45,58.15 52.45,61.85 51.9,62.4 51.9,63.3 53.5,63.3 53.5,62.025 52.9,61.425 52.9,58.15
  region net PGND: 51.6,58.15 51.6,61.3 51.1,61.8 50.8,61.8 50.8,60.5 51.2,60.1 51.2,58.15
  region net PGND: 53.1,58.15 53.1,61.25 53.9,62.05 54.2,62.05 54.2,58.15
  region net VCCFOC: 55.5,58.15 55.5,59.75 55.9,60.15 56.25,60.15 56.25,61.55 55.05,61.55 55.05,58.15
  region net VCCFOC: 50.95,58.15 50.95,60.05 50.55,60.45 50.55,61.55 49.4,61.55 49.4,60.2 50.05,60.2 50.5,59.75 50.5,58.15
  region net VCCFOC: 35,58.15 35,59.75 35.4,60.15 35.75,60.15 35.75,61.55 34.55,61.55 34.55,58.15
  region net VCCFOC: 30.45,58.15 30.45,60.05 30.05,60.45 30.05,61.55 29.1,61.55 29.1,60.2 29.55,60.2 30,59.75 30,58.15
  region net PGND: 33.75,60.1
  region net PGND: 32.6,58.15 32.6,61.25 33.4,62.05 33.7,62.05 33.7,58.15
  region net M0_C: 31.95,58.15 31.95,61.85 31.5,62.3 31.5,63.3 33.5,63.3 33.5,62.525 32.4,61.425 32.4,58.15
  region net PGND: 31.1,58.15 31.1,61.3 30.6,61.8 30.3,61.8 30.3,60.5 30.7,60.1 30.7,58.15
  region net VCCFOC: 9,17.5 14,12.5 14,8.5 12.5,8.5 9,12
  region: 31.75,58.15
  region net HVIN: 41.673,5.75 35.15,5.75 30.6,1.2 27.7,1.2 27.6,1.3 27.6,7 27.1,7.5 27.1,9.05 27.3,9.25 30.75,9.25 33.9,12.4 41.725,12.4
  region net NetC26_2: 55.925,28.5 52.9,28.5 52.9,28.9 53.8,28.9 54.9,30 55.838,30
  region net NetC26_2: 55.5,28.5 56.35,28.5 57.15,27.7 60.8,27.7 60.8,31.2 57.376,31.2 56.176,30 55.5,30
  region net HVLP: 54.325,22.5 54.325,25.225 54.9,25.8 56.4,25.8 56.6,26 56.6,27.6 56,28.2 52.9,28.2 52.9,26 51.7,24.8 51.7,22.5
  region net NetC44_1: 60.5,37.3 60.5,39.8 61.8,39.8 62.4,39.2 62.4,38.7 61,37.3
  region net VCC5V: 60.5,35.76 62.54,35.76 63,35.3 63,33.6 61.5,33.6 60.5,34.6
Mid 1:
  rectangle net VCCFOC: 54.7,58.15 57,61.7
  rectangle net VCCFOC: 47.95,58.15 50.55,61.7
  rectangle net VCCFOC: 34.2,58.15 36.65,61.55
  rectangle net VCCFOC: 27.4,58.1 30,61.6
  rectangle net PGND: 43,1 49,21.398
  rectangle net PGND: 80,28 84,32.5
  rectangle net PGND: 1,28.5 5.5,32.5
  region net PGND: 1,49.5 2.5,51 5,51 5,47 4.5,46.5 1,46.5
  region net PGND: 84,49.5 83,50.5 80,50.5 80,46.5 84,46.5
Bottom Layer:
  rectangle net PGND: 26.573,20.1 31.389,21.75
  rectangle net PGND: 23.35,62.5 60.834,66.025
  rectangle net VCCFOC: 55.05,60.2 60.7,61.5
  rectangle net VCCFOC: 44.9,60.2 50.5,61.5
  rectangle net VCCFOC: 34.55,60.2 40.3,61.5
  rectangle net VCCFOC: 24.4,60.2 30,61.5
  rectangle net PGND: 80,28.5 84,32.5
  rectangle net PGND: 1,28.5 5,32.5
  rectangle net VCCFOC: 80,23.5 84,27.5
  region net PGND: 84,46.5 84,49 82.5,50.5 80,50.5 80,46.5
  region net PGND: 1,46.5 1,49 2.5,50.5 5,50.5 5,46.5

## Silkscreen, mask and mechanical layers (free items; w line width, h text height)
Bottom Overlay:
  text "By Yufei Zhao, Yun Zhao,  / Yushuang Song, 2025.11" at 60.9,38.5 h1.52
Top Solder:
  lines w2: 3,20 3,16.5 7.5,12 7.5,8 ; 6.5,21.5 6.5,17.5 9,15 11.5,12.5 11.5,9 ; 29,6.5 30,6.5 34,10.5 37.5,10.5 ; 36.5,7.5 35,7.5 34,6.5 31,3.5 ; 31,3.5 31,3.5
Bottom Solder:
  lines w1: 65.5,15 67.583,12.917 72.3,12.917 75.75,16.367 75.75,17.55
  lines w2: 17.5,3 24,3 33,12 36,15 65.5,15 ; 18.5,7 23.5,7 27,10.5 36,19.5 64.3,19.5 70.3,25.5 73,25.5 ; 75.75,17.55 78.45,20.25 78.45,20.35
Mechanical 1:
  the board outline again, w0.5

## Text inside footprints (layer, text, board x,y; h text height)
P8: Top Overlay "1" at 16.731,64.177 h0.76 r225
P9: Top Overlay "1" at 64.677,67.769 h0.76 r135
P11: Top Overlay "1" at 4.151,4.571 h0.76 r270